# Altium PCB OctopusPB_r0102.PcbDoc (part 4 of 10)
Units mm, origin at the board's own origin, x right, y up, seen from the top; angles counter-clockwise.
Board outline 318 x 80 mm, 4 copper layers (Top Layer, Layer 1, Layer 2, Bottom Layer), stack 1.62 mm thick; 806 components, 346 nets, 2957 pads, 6733 vias.
Unrouted connection lines stored in the file: 1143.
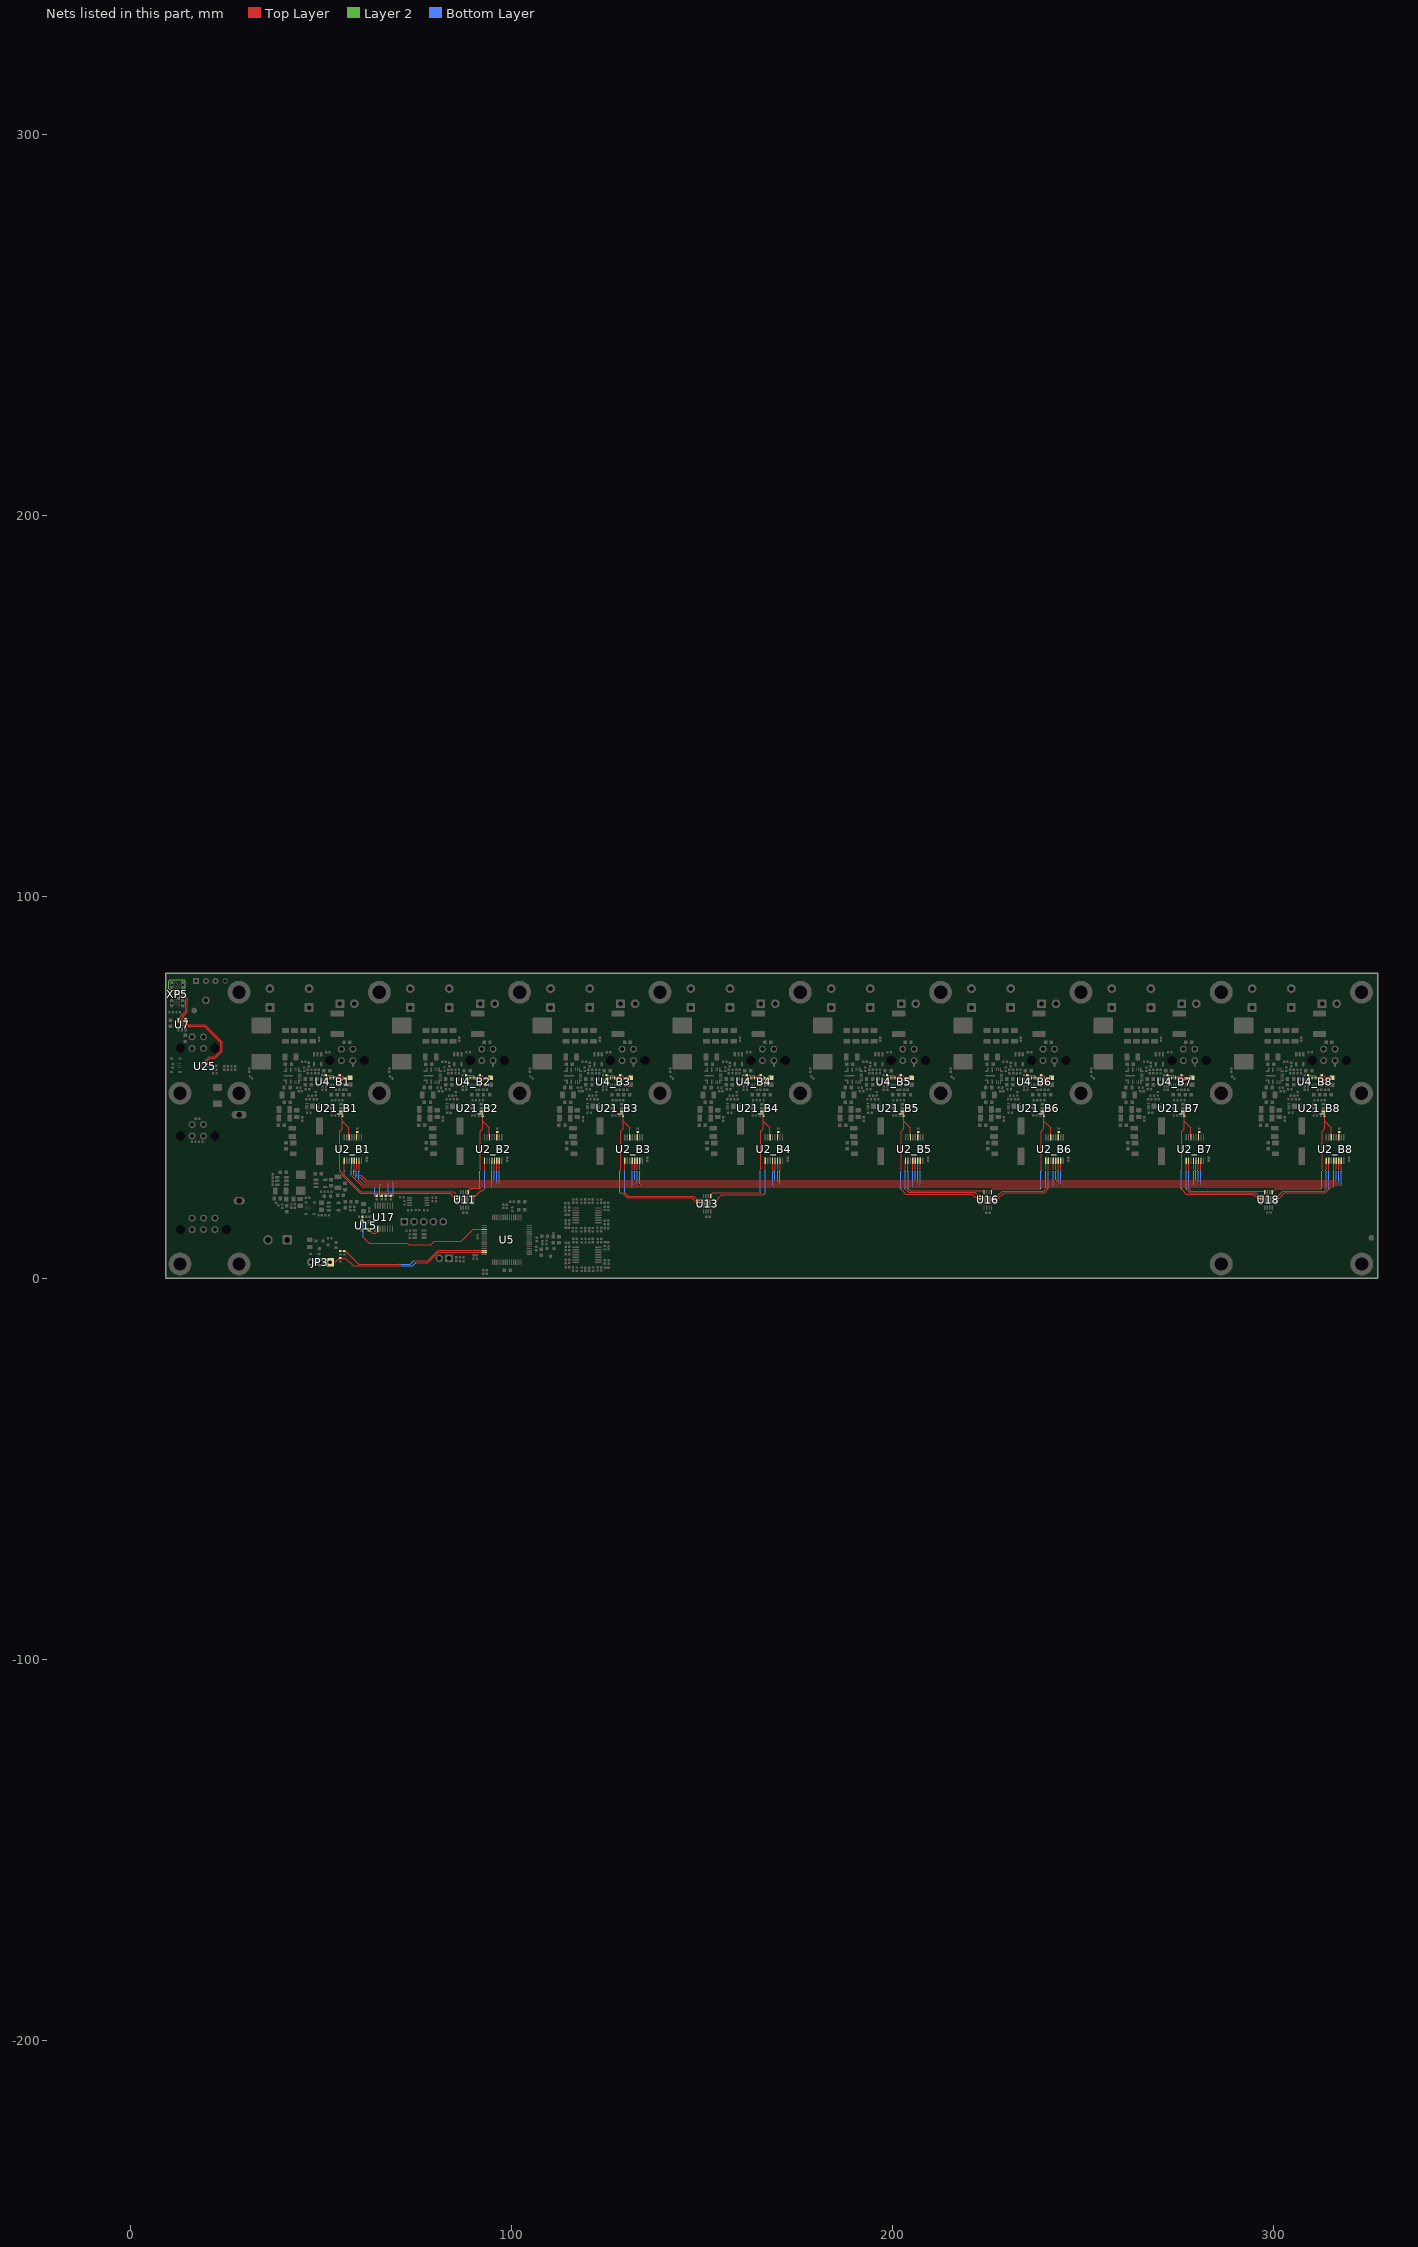
[diagram p6: the nets of this part, all layers, seen from the top]

## Via types
v1: diameter 0.4, hole 0.2, Top Layer to Bottom Layer, tented both sides, 6713 vias
v2: diameter 0.5, hole 0.2, Top Layer to Bottom Layer, tented both sides, 20 vias

## Nets (pads, with @x,y where several pads share a name; then routed paths per layer and width w, separated by ;. In a path a pad name is that pad's centre, name@x,y a point inside that pad or via, vN(x,y) a via of type N, cw(c..) or ccw(c..) an arc to the next point about the centre after c; other vN are vias at no path point) (continued)
BUCK_CTRL_B5: U2_B5.10 U16.8 | length 27.8
  Top Layer w0.2: v1(204.025,28.2) U2_B5.10@204.025,30.8 ; v1(204.075,23.4) 204.075,23.393 204.568,22.9 223.931,22.9 224,22.831 U16.8@224,22.5
  Bottom Layer w0.2: v1@204.05,23.425 v1@204.05,28.175
BUCK_CTRL_B6: U2_B6.10 U16.3 | length 22.4
  Top Layer w0.2: U16.3@226.975,20.825 226.992,20.808 227.658,20.808 229.25,22.4 239.907,22.4 240.9,23.393 v1(240.9,23.4) ; v1(240.85,28.2) U2_B6.10@240.85,30.8
  Bottom Layer w0.2: v1@240.875,23.425 v1@240.875,28.175
BUCK_CTRL_B7: U2_B7.10 U18.8 | length 27.8
  Top Layer w0.2: v1(277.675,28.2) U2_B7.10@277.675,30.8 ; v1(277.725,23.4) 277.725,23.393 278.293,22.825 297.581,22.825 297.65,22.756 U18.8@297.65,22.5
  Bottom Layer w0.2: v1@277.7,23.425 v1@277.7,28.175
BUCK_CTRL_B8: U2_B8.10 U18.3 | length 22.3
  Top Layer w0.2: U18.3@300.625,20.825 300.65,20.85 301.325,20.85 302.875,22.4 313.557,22.4 314.55,23.393 v1(314.55,23.4) ; v1(314.5,28.2) U2_B8.10@314.5,30.8
  Bottom Layer w0.2: v1@314.525,23.425 v1@314.525,28.175
BUCK_CTRL_C1: U2_B1.9 U11.9 | length 36
  Top Layer w0.2: U2_B1.9@56.075,30.8 v1(56.075,28.2) 56.075,26.987 60.412,22.65 84.775,22.65 85.35,22.075 85.35,21.544 85.419,21.475 U11.9@85.675,21.475
BUCK_CTRL_C2: U2_B2.9 U11.4 | length 11.4
  Top Layer w0.2: U11.4@89.675,21.475 90.525,21.475 91.95,22.9 92.4,22.9 v1(92.9,23.4) ; v1(92.9,28.2) U2_B2.9@92.9,30.8
  Bottom Layer w0.2: v1(92.9,23.4) v1(92.9,28.2)
BUCK_CTRL_C3: U2_B3.9 U13.9 | length 28.8
  Top Layer w0.2: v1(129.725,22.4) 129.725,22.393 130.618,21.5 147.875,21.5 148.9,20.475 U13.9@149.325,20.475 ; v1(129.725,28.2) U2_B3.9@129.725,30.8
  Bottom Layer w0.2: v1@129.725,22.425 v1(129.725,28.2)
BUCK_CTRL_C4: U2_B4.9 U13.4 | length 22.4
  Top Layer w0.2: U13.4@153.325,20.475 153.75,20.475 155.175,21.9 166.05,21.9 v1(166.55,22.4) ; v1(166.55,28.2) U2_B4.9@166.55,30.8
  Bottom Layer w0.2: v1@166.55,22.425 v1(166.55,28.2)
BUCK_CTRL_C5: U2_B5.9 U16.9 | length 27.8
  Top Layer w0.2: v1(203.375,23.4) 203.375,23.393 204.268,22.5 221.525,22.5 222.55,21.475 U16.9@222.975,21.475 ; v1(203.375,28.2) U2_B5.9@203.375,30.8
  Bottom Layer w0.2: v1(203.375,23.4) v1(203.375,28.2)
BUCK_CTRL_C6: U2_B6.9 U16.4 | length 21.4
  Top Layer w0.2: U16.4@226.975,21.475 227.4,21.475 228.75,22.825 239.625,22.825 v1(240.2,23.4) ; v1(240.2,28.2) U2_B6.9@240.2,30.8
  Bottom Layer w0.2: v1(240.2,23.4) v1(240.2,28.2)
BUCK_CTRL_C7: U2_B7.9 U18.9 | length 27.8
  Top Layer w0.2: v1(277.025,23.4) 277.025,23.393 277.993,22.425 295.25,22.425 296.2,21.475 U18.9@296.625,21.475 ; v1(277.025,28.2) U2_B7.9@277.025,30.8
  Bottom Layer w0.2: v1(277.025,23.4) v1(277.025,28.2)
BUCK_CTRL_C8: U2_B8.9 U18.4 | length 21.4
  Top Layer w0.2: U18.4@300.625,21.475 301.05,21.475 302.375,22.8 313.25,22.8 v1(313.85,23.4) ; v1(313.85,28.2) U2_B8.9@313.85,30.8
  Bottom Layer w0.2: v1(313.85,23.4) v1(313.85,28.2)
BUCK_EN_B1: R102_B1.1 U2_B1.3 | length 1.6
  Top Layer w0.2: U2_B1.3@59.45,36.9 R102_B1.1@59.45,38.52
BUCK_EN_B2: R102_B2.1 U2_B2.3 | length 1.6
  Top Layer w0.2: U2_B2.3@96.275,36.9 R102_B2.1@96.275,38.52
BUCK_EN_B3: R102_B3.1 U2_B3.3 | length 1.6
  Top Layer w0.2: U2_B3.3@133.1,36.9 R102_B3.1@133.1,38.52
BUCK_EN_B4: R102_B4.1 U2_B4.3 | length 1.6
  Top Layer w0.2: U2_B4.3@169.925,36.9 R102_B4.1@169.925,38.52
BUCK_EN_B5: R102_B5.1 U2_B5.3 | length 1.6
  Top Layer w0.2: U2_B5.3@206.75,36.9 R102_B5.1@206.75,38.52
BUCK_EN_B6: R102_B6.1 U2_B6.3 | length 1.6
  Top Layer w0.2: U2_B6.3@243.575,36.9 R102_B6.1@243.575,38.52
BUCK_EN_B7: R102_B7.1 U2_B7.3 | length 1.6
  Top Layer w0.2: U2_B7.3@280.4,36.9 R102_B7.1@280.4,38.52
BUCK_EN_B8: R102_B8.1 U2_B8.3 | length 1.6
  Top Layer w0.2: U2_B8.3@317.225,36.9 R102_B8.1@317.225,38.52
CLK_1MHz: R52.2 U2_B1.15 U2_B2.15 U2_B3.15 U2_B4.15 U2_B5.15 U2_B6.15 U2_B7.15 U2_B8.15 | length 311.3
  Top Layer w0.2: v1(59.95,25.8) 59.95,25.75 61.25,24.45 v1(65.375,24.45) 67.175,24.45 96.75,24.45 v1(96.775,24.475) v1(317.725,24.475) ; v1(59.975,28.2) U2_B1.15@59.975,30.8 ; v1(65.378,21.526) 65.379,21.525 65.92,21.525 R52.2@65.975,21.58 ; v1(96.775,28.2) v1@96.8,28.225 ; v1@96.8,28.2 U2_B2.15@96.8,30.8 ; v1@133.625,28.2 U2_B3.15@133.625,30.8 ; v1@170.45,28.2 U2_B4.15@170.45,30.8 ; v1@207.275,28.2 U2_B5.15@207.275,30.8 ; v1@244.1,28.2 U2_B6.15@244.1,30.8 ; v1@280.925,28.2 U2_B7.15@280.925,30.8 ; v1@317.75,28.2 U2_B8.15@317.75,30.8
  Bottom Layer w0.2: v1(59.95,25.8) 59.95,28.175 v1(59.975,28.2) ; v1@65.378,21.5 v1(65.378,21.526) v1@65.378,24.45 ; v1(96.775,24.475) v1(96.775,28.2) ; v1(133.6,24.475) v1(133.6,28.2) ; v1(170.425,24.475) v1(170.425,28.2) ; v1(207.25,24.475) v1(207.25,28.2) ; v1(244.075,24.475) v1(244.075,28.2) ; v1(280.9,24.475) v1(280.9,28.2) ; v1(317.725,24.475) v1(317.725,28.2)
CLK_2MHz: R12.2 U2_B1.12 U2_B2.12 U2_B3.12 U2_B4.12 U2_B5.12 U2_B6.12 U2_B7.12 U2_B8.12 | length 313.3
  Top Layer w0.2: v1(57.925,26.975) 57.925,26.95 59.575,25.3 59.6,25.3 60.95,23.95 v1(64.103,23.95) v1(94.85,23.95) v1(131.675,23.95) v1(168.5,23.95) 168.525,23.975 205.3,23.975 v1(205.325,23.95) v1(315.8,23.95) v1@315.9,23.95 ; 57.988,28.438 58.025,28.475 U2_B1.12@58.025,30.8 ; v1(64.103,21.526) 64.103,21.542 64.05,21.596 64.054,21.6 64.63,21.6 R12.2@64.65,21.58 ; v1@94.85,28.3 U2_B2.12@94.85,30.8 ; v1@131.675,28.3 U2_B3.12@131.675,30.8 ; v1@168.5,28.3 U2_B4.12@168.5,30.8 ; v1@205.325,28.3 U2_B5.12@205.325,30.8 ; v1@242.15,28.3 U2_B6.12@242.15,30.8 ; v1@278.975,28.3 U2_B7.12@278.975,30.8 ; v1@315.8,28.3 U2_B8.12@315.8,30.8
  Bottom Layer w0.2: v1(57.925,26.975) 57.925,28.175 v1(57.95,28.2) ; v1@64.103,21.5 v1(64.103,21.526) v1(64.103,23.95) ; v1(94.85,23.95) v1(94.85,28.2) ; v1(131.675,23.95) v1(131.675,28.2) ; v1(168.5,23.95) v1(168.5,28.2) ; v1(205.325,23.95) v1(205.325,28.2) ; v1(242.15,23.95) v1(242.15,28.2) ; v1(278.975,23.95) v1(278.975,28.2) ; v1(315.8,23.95) v1(315.8,28.2)
CLK_4MHz: U15.3 U17.2 | length 2.9
  Top Layer w0.3: U15.3@62.65,12.65 U15.3@62.675,12.65 ; U15.3@62.725,12.65 U15.3@62.675,12.65 ; U17.2@64.85,12.25 64.85,12.158 64.417,11.725 63.6,11.725 U15.3@62.675,12.65
CLK_250kHz: R13.2 U2_B1.13 U2_B2.13 U2_B3.13 U2_B4.13 U2_B5.13 U2_B6.13 U2_B7.13 U2_B8.13 | length 303.8
  Top Layer w0.2: v1(58.625,26.975) 60.525,26.975 61.975,25.525 v1(68.975,25.525) 70.775,25.525 v1(95.475,25.525) v1(132.3,25.525) v1(169.125,25.525) v1(205.95,25.525) v1(242.775,25.525) v1(279.6,25.525) v1(316.425,25.525) ; v1(58.65,28.2) 58.663,28.213 58.663,30.788 U2_B1.13@58.675,30.8 ; R13.2@68.35,21.58 68.38,21.55 v1(68.975,21.55) ; v1(95.475,28.2) v1@95.5,28.2 ; v1@95.488,28.213 95.488,30.788 U2_B2.13@95.5,30.8 ; v1@132.313,28.213 132.313,30.788 U2_B3.13@132.325,30.8 ; v1@169.138,28.213 169.138,30.788 U2_B4.13@169.15,30.8 ; v1@205.963,28.213 205.963,30.788 U2_B5.13@205.975,30.8 ; v1@242.788,28.213 242.788,30.788 U2_B6.13@242.8,30.8 ; v1@279.613,28.213 279.613,30.788 U2_B7.13@279.625,30.8 ; v1@316.438,28.213 316.438,30.788 U2_B8.13@316.45,30.8
  Bottom Layer w0.2: v1(58.625,26.975) 58.625,28.175 v1(58.65,28.2) ; v1@68.975,21.5 v1(68.975,21.55) ; v1(68.975,25.525) v1(68.975,21.55) ; v1@69,21.575 v1(68.975,21.55) ; v1(95.475,25.525) v1(95.475,28.2) ; v1(132.3,25.525) v1(132.3,28.2) ; v1(169.125,25.525) v1(169.125,28.2) ; v1(205.95,25.525) v1(205.95,28.2) ; v1(242.775,25.525) v1(242.775,28.2) ; v1(279.6,25.525) v1(279.6,28.2) ; v1(316.425,25.525) v1(316.425,28.2)
CLK_500kHz: R55.2 U2_B1.14 U2_B2.14 U2_B3.14 U2_B4.14 U2_B5.14 U2_B6.14 U2_B7.14 U2_B8.14 | length 307.5
  Top Layer w0.2: v1(59.3,26.425) 60.275,26.425 61.7,25 69.4,25 v1(96.15,25) v1@317.2,25 ; v1(59.3,28.2) 59.325,28.225 U2_B1.14@59.325,30.8 ; R55.2@66.925,21.58 66.955,21.55 v1(67.6,21.55) ; v1@96.15,28.225 U2_B2.14@96.15,30.8 ; v1@132.975,28.225 U2_B3.14@132.975,30.8 ; v1@169.8,28.225 U2_B4.14@169.8,30.8 ; v1@206.625,28.225 U2_B5.14@206.625,30.8 ; v1@243.45,28.225 U2_B6.14@243.45,30.8 ; v1@280.275,28.225 U2_B7.14@280.275,30.8 ; v1@317.1,28.225 U2_B8.14@317.1,30.8
  Bottom Layer w0.2: v1(59.3,26.425) v1(59.3,28.2) ; v1@67.6,21.5 v1(67.6,21.55) v1(67.6,25) ; v1(96.15,25) v1(96.15,28.2) ; v1(132.975,25) v1(132.975,28.2) ; v1(169.8,25) v1(169.8,28.2) ; v1(206.625,25) v1(206.625,28.2) ; v1(243.45,25) v1(243.45,28.2) ; v1(280.275,25) v1(280.275,28.2) ; v1(317.1,25) v1(317.1,28.2)
CLK_EN: R54.2 U5.51 U15.1 | length 40.2
  Top Layer w0.2: U15.1@60.775,14.75 v1(60.775,15.475) R54.2@60.775,16.045 ; v1(61.1,11) 61.12,10.98 61.12,10.67 62.691,9.1 72.632,9.1 72.957,8.775 78.831,8.775 79.706,9.65 86.823,9.65 89.932,12.759 U5.51@92.816,12.759
  Bottom Layer w0.2: v1@60.85,15.375 60.85,15.175 61.1,14.925 v1(61.1,11)
COOLER_FB: JP3.1 R70.1 U5.63 | length 43.2
  Top Layer w0.2: JP3.1@52.49,4.725 52.915,4.3 53.875,4.3 54.83,5.255 R70.1@55.1,5.255 56.395,5.255 58.475,3.175 v1(71.125,3.175) ; v1(74.9,4.05) 78.066,4.05 80.775,6.759 U5.63@92.816,6.759
  Bottom Layer w0.2: v1(71.125,3.175) 74.025,3.175 v1(74.9,4.05)
COOLER_SW: R72.1 R73.1 U5.62 | length 40.6
  Top Layer w0.2: R72.1@55.087,7.088 55.097,7.078 56.073,7.078 R73.1@56.075,7.08 56.26,6.895 56.655,6.895 59.875,3.675 v1(70.7,3.675) ; v1(74.35,4.55) 78,4.55 80.7,7.25 92.807,7.25 U5.62@92.816,7.259
  Bottom Layer w0.2: v1(70.7,3.675) 73.475,3.675 v1(74.35,4.55)
CUSB_D_N: U7.3 U25.2 XP5.A7 XP5.B7 | length 44.8
  Top Layer w0.2: XP5.A7@12.63,73.375 12.697,73.375 12.947,73.625 14.2,73.625 14.525,73.3 14.525,70 13.875,69.35 13.676,69.35 13.325,68.999 13.325,68.667 13.208,68.55 13.153,68.55 12.925,68.322 12.925,68.3 12.575,67.95 U7.3@12.575,67.65 12.575,67.35 12.925,67 12.925,66.978 13,66.903 13,66.693 13.293,66.4 13.525,66.4 13.775,66.15 15.128,66.15 15.153,66.125 19.3,66.125 23.655,61.77 23.655,59.662 22.122,58.129 20.716,58.129 19.75,57.163 19.75,56.565 19.725,56.54 19.725,56.275 U25.2@19.7,56.25
  Layer 2 w0.2: XP5.B7@11.85,75.625 11.773,75.548 11.373,75.548 11.325,75.5 10.502,75.5 10.027,75.975 10.027,77.927 10.425,78.325 13.981,78.325 14.42,77.886 14.42,75.17 12.63,73.38 XP5.A7@12.63,73.375
  Bottom Layer w0.2: XP5.A7@12.63,73.375 XP5.A7@12.78,73.525
CUSB_D_P: U7.1 U25.1 XP5.A6 XP5.B6 | length 31.9
  Top Layer w0.2: XP5.B6@11.876,74.699 12.206,74.699 XP5.A6@12.63,74.275 12.697,74.275 12.947,74.025 14.366,74.025 14.925,73.466 14.925,69.834 14.041,68.95 13.842,68.95 13.725,68.833 13.725,68.667 13.842,68.55 13.897,68.55 14.125,68.322 14.125,68.3 14.475,67.95 U7.1@14.475,67.65 14.475,67.35 14.125,67 14.125,66.978 14,66.853 14,66.693 13.979,66.672 13.979,66.667 14.097,66.55 15.294,66.55 15.319,66.525 19.466,66.525 24.055,61.936 24.055,59.496 22.288,57.729 20.882,57.729 20.15,56.997 20.15,56.3 U25.1@20.2,56.25 U25.1@20.267,56.183 ; U25.1@20.202,56.223 U25.1@20.225,56.2
  Bottom Layer w0.2: XP5.B6@11.85,74.725 XP5.B6@11.876,74.699
DAC_OUT_B1: R21_B1.2 U4_B1.2 | length 2.7
  Top Layer w0.2: R21_B1.2@51.23,53.175 51.23,53.155 R21_B1.2@51.415,52.97 ; R21_B1.2@51.415,53.17 53.054,53.17 53.304,52.919 U4_B1.2@53.304,52.47
DAC_OUT_B2: R21_B2.2 U4_B2.2 | length 2.7
  Top Layer w0.2: R21_B2.2@88.055,53.175 88.055,53.155 R21_B2.2@88.24,52.97 ; R21_B2.2@88.24,53.17 89.879,53.17 90.129,52.919 U4_B2.2@90.129,52.47
DAC_OUT_B3: R21_B3.2 U4_B3.2 | length 2.7
  Top Layer w0.2: R21_B3.2@124.88,53.175 124.88,53.155 R21_B3.2@125.065,52.97 ; R21_B3.2@125.065,53.17 126.704,53.17 126.954,52.919 U4_B3.2@126.954,52.47
DAC_OUT_B4: R21_B4.2 U4_B4.2 | length 2.7
  Top Layer w0.2: R21_B4.2@161.705,53.175 161.705,53.155 R21_B4.2@161.89,52.97 ; R21_B4.2@161.89,53.17 163.529,53.17 163.779,52.919 U4_B4.2@163.779,52.47
DAC_OUT_B5: R21_B5.2 U4_B5.2 | length 2.7
  Top Layer w0.2: R21_B5.2@198.53,53.175 198.53,53.155 R21_B5.2@198.715,52.97 ; R21_B5.2@198.715,53.17 200.354,53.17 200.604,52.919 U4_B5.2@200.604,52.47
DAC_OUT_B6: R21_B6.2 U4_B6.2 | length 2.7
  Top Layer w0.2: R21_B6.2@235.355,53.175 235.355,53.155 R21_B6.2@235.54,52.97 ; R21_B6.2@235.54,53.17 237.179,53.17 237.429,52.919 U4_B6.2@237.429,52.47
DAC_OUT_B7: R21_B7.2 U4_B7.2 | length 2.7
  Top Layer w0.2: R21_B7.2@272.18,53.175 272.18,53.155 R21_B7.2@272.365,52.97 ; R21_B7.2@272.365,53.17 274.004,53.17 274.254,52.919 U4_B7.2@274.254,52.47
DAC_OUT_B8: R21_B8.2 U4_B8.2 | length 2.7
  Top Layer w0.2: R21_B8.2@309.005,53.175 309.005,53.155 R21_B8.2@309.19,52.97 ; R21_B8.2@309.19,53.17 310.829,53.17 311.079,52.919 U4_B8.2@311.079,52.47
DAC_VDD_B1: C31_B1.1 C32_B1.1 C33_B1.1 L3_B1.2 R25_B1.2 U4_B1.1 U4_B1.4 | length 10
  Top Layer w0.2: U4_B1.4@52.304,52.456 U4_B1.4@52.304,52.47 ; U4_B1.1@53.804,52.325 U4_B1.1@53.804,52.42 53.804,52.728 53.829,52.753 v1(54.153,52.753) ; U4_B1.1@53.827,52.526 53.827,52.528 U4_B1.1@53.829,52.53
  Top Layer w0.3: R25_B1.2@51.093,52.19 51.228,52.055 R25_B1.2@51.25,52.055 ; R25_B1.2@51.25,52.18 51.385,52.315 51.714,52.315 ; 51.714,52.515 51.85,52.651 v1(51.877,52.651) v1(51.877,52.651) 52.175,52.65 ; v1(54.153,52.753) 54.153,52.761 54.476,53.085 54.715,53.085 C33_B1.1@54.875,53.245 ; C33_B1.1@54.875,53.265 C33_B1.1@54.875,53.245 ; C32_B1.1@54.9,51.39 54.9,51.41 55.06,51.57 55.295,51.57 C31_B1.1@56.1,52.375 ; L3_B1.2@57.6,52.526 57.449,52.375 C31_B1.1@56.125,52.375 C31_B1.1@56.1,52.375 ; C33_B1.1@54.875,53.245 55.035,53.085 55.39,53.085 C31_B1.1@56.1,52.375
  Bottom Layer w0.3: v1(51.877,52.651) 51.89,52.664 54.14,52.664 v1@54.152,52.676
DAC_VDD_B2: C31_B2.1 C32_B2.1 C33_B2.1 L3_B2.2 R25_B2.2 U4_B2.1 U4_B2.4 | length 10
  Top Layer w0.2: U4_B2.4@89.129,52.456 U4_B2.4@89.129,52.47 ; U4_B2.1@90.629,52.325 U4_B2.1@90.629,52.42 90.629,52.728 90.654,52.753 v1(90.978,52.753) ; U4_B2.1@90.652,52.526 90.652,52.528 U4_B2.1@90.654,52.53
  Top Layer w0.3: R25_B2.2@87.918,52.19 88.053,52.055 R25_B2.2@88.075,52.055 ; R25_B2.2@88.075,52.18 88.21,52.315 88.539,52.315 ; 88.539,52.515 88.675,52.651 v1(88.702,52.651) 88.703,52.65 89,52.65 ; v1(90.978,52.753) 90.978,52.761 91.301,53.085 91.54,53.085 C33_B2.1@91.7,53.245 ; C33_B2.1@91.7,53.265 C33_B2.1@91.7,53.245 ; C32_B2.1@91.725,51.39 91.725,51.41 91.885,51.57 92.12,51.57 C31_B2.1@92.925,52.375 ; L3_B2.2@94.425,52.526 94.274,52.375 C31_B2.1@92.95,52.375 C31_B2.1@92.925,52.375 ; C33_B2.1@91.7,53.245 91.86,53.085 92.215,53.085 C31_B2.1@92.925,52.375
  Bottom Layer w0.3: v1(88.702,52.651) 88.715,52.664 90.965,52.664 v1@90.977,52.676
DAC_VDD_B3: C31_B3.1 C32_B3.1 C33_B3.1 L3_B3.2 R25_B3.2 U4_B3.1 U4_B3.4 | length 10
  Top Layer w0.2: U4_B3.4@125.954,52.456 U4_B3.4@125.954,52.47 ; U4_B3.1@127.454,52.325 U4_B3.1@127.454,52.42 127.454,52.728 127.479,52.753 v1(127.803,52.753) ; U4_B3.1@127.477,52.526 127.477,52.528 U4_B3.1@127.479,52.53
  Top Layer w0.3: R25_B3.2@124.743,52.19 124.878,52.055 R25_B3.2@124.9,52.055 ; R25_B3.2@124.9,52.18 125.035,52.315 125.364,52.315 ; 125.364,52.515 125.5,52.651 v1(125.527,52.651) 125.528,52.65 125.825,52.65 ; v1(127.803,52.753) 127.803,52.761 128.126,53.085 128.365,53.085 C33_B3.1@128.525,53.245 ; C33_B3.1@128.525,53.265 C33_B3.1@128.525,53.245 ; C32_B3.1@128.55,51.39 128.55,51.41 128.71,51.57 128.945,51.57 C31_B3.1@129.75,52.375 ; L3_B3.2@131.25,52.526 131.099,52.375 C31_B3.1@129.775,52.375 C31_B3.1@129.75,52.375 ; C33_B3.1@128.525,53.245 128.685,53.085 129.04,53.085 C31_B3.1@129.75,52.375
  Bottom Layer w0.3: v1(125.527,52.651) 125.54,52.664 127.79,52.664 v1@127.802,52.676
DAC_VDD_B4: C31_B4.1 C32_B4.1 C33_B4.1 L3_B4.2 R25_B4.2 U4_B4.1 U4_B4.4 | length 10
  Top Layer w0.2: U4_B4.4@162.779,52.456 U4_B4.4@162.779,52.47 ; U4_B4.1@164.279,52.325 U4_B4.1@164.279,52.42 164.279,52.728 164.304,52.753 v1(164.628,52.753) ; U4_B4.1@164.302,52.526 164.302,52.528 U4_B4.1@164.304,52.53
  Top Layer w0.3: R25_B4.2@161.568,52.19 161.703,52.055 R25_B4.2@161.725,52.055 ; R25_B4.2@161.725,52.18 161.86,52.315 162.189,52.315 ; 162.189,52.515 162.325,52.651 v1(162.352,52.651) 162.353,52.65 162.65,52.65 ; v1(164.628,52.753) 164.628,52.761 164.951,53.085 165.19,53.085 C33_B4.1@165.35,53.245 ; C33_B4.1@165.35,53.265 C33_B4.1@165.35,53.245 ; C32_B4.1@165.375,51.39 165.375,51.41 165.535,51.57 165.77,51.57 C31_B4.1@166.575,52.375 ; L3_B4.2@168.075,52.526 167.924,52.375 C31_B4.1@166.6,52.375 C31_B4.1@166.575,52.375 ; C33_B4.1@165.35,53.245 165.51,53.085 165.865,53.085 C31_B4.1@166.575,52.375
  Bottom Layer w0.3: v1(162.352,52.651) 162.365,52.664 164.615,52.664 v1@164.627,52.676
DAC_VDD_B5: C31_B5.1 C32_B5.1 C33_B5.1 L3_B5.2 R25_B5.2 U4_B5.1 U4_B5.4 | length 10
  Top Layer w0.2: U4_B5.4@199.604,52.456 U4_B5.4@199.604,52.47 ; U4_B5.1@201.104,52.325 U4_B5.1@201.104,52.42 201.104,52.728 201.129,52.753 v1(201.453,52.753) ; U4_B5.1@201.127,52.526 201.127,52.528 U4_B5.1@201.129,52.53
  Top Layer w0.3: R25_B5.2@198.393,52.19 198.528,52.055 R25_B5.2@198.55,52.055 ; R25_B5.2@198.55,52.18 198.685,52.315 199.014,52.315 ; 199.014,52.515 199.15,52.651 v1(199.177,52.651) 199.178,52.65 199.475,52.65 ; v1(201.453,52.753) 201.453,52.761 201.776,53.085 202.015,53.085 C33_B5.1@202.175,53.245 ; C33_B5.1@202.175,53.265 C33_B5.1@202.175,53.245 ; C32_B5.1@202.2,51.39 202.2,51.41 202.36,51.57 202.595,51.57 C31_B5.1@203.4,52.375 ; L3_B5.2@204.9,52.526 204.749,52.375 C31_B5.1@203.425,52.375 C31_B5.1@203.4,52.375 ; C33_B5.1@202.175,53.245 202.335,53.085 202.69,53.085 C31_B5.1@203.4,52.375
  Bottom Layer w0.3: v1(199.177,52.651) 199.19,52.664 201.44,52.664 v1@201.452,52.676
DAC_VDD_B6: C31_B6.1 C32_B6.1 C33_B6.1 L3_B6.2 R25_B6.2 U4_B6.1 U4_B6.4 | length 10
  Top Layer w0.2: U4_B6.4@236.429,52.456 U4_B6.4@236.429,52.47 ; U4_B6.1@237.929,52.325 U4_B6.1@237.929,52.42 237.929,52.728 237.954,52.753 v1(238.278,52.753) ; U4_B6.1@237.952,52.526 237.952,52.528 U4_B6.1@237.954,52.53
  Top Layer w0.3: R25_B6.2@235.218,52.19 235.353,52.055 R25_B6.2@235.375,52.055 ; R25_B6.2@235.375,52.18 235.51,52.315 235.839,52.315 ; 235.839,52.515 235.975,52.651 v1(236.002,52.651) 236.003,52.65 236.3,52.65 ; v1(238.278,52.753) 238.278,52.761 238.601,53.085 238.84,53.085 C33_B6.1@239,53.245 ; C33_B6.1@239,53.265 C33_B6.1@239,53.245 ; C32_B6.1@239.025,51.39 239.025,51.41 239.185,51.57 239.42,51.57 C31_B6.1@240.225,52.375 ; L3_B6.2@241.725,52.526 241.574,52.375 C31_B6.1@240.25,52.375 C31_B6.1@240.225,52.375 ; C33_B6.1@239,53.245 239.16,53.085 239.515,53.085 C31_B6.1@240.225,52.375
  Bottom Layer w0.3: v1(236.002,52.651) 236.015,52.664 238.265,52.664 v1@238.277,52.676
DAC_VDD_B7: C31_B7.1 C32_B7.1 C33_B7.1 L3_B7.2 R25_B7.2 U4_B7.1 U4_B7.4 | length 10
  Top Layer w0.2: U4_B7.4@273.254,52.456 U4_B7.4@273.254,52.47 ; U4_B7.1@274.754,52.325 U4_B7.1@274.754,52.42 274.754,52.728 274.779,52.753 v1(275.103,52.753) ; U4_B7.1@274.777,52.526 274.777,52.528 U4_B7.1@274.779,52.53
  Top Layer w0.3: R25_B7.2@272.043,52.19 272.178,52.055 R25_B7.2@272.2,52.055 ; R25_B7.2@272.2,52.18 272.335,52.315 272.664,52.315 ; 272.664,52.515 272.8,52.651 v1(272.827,52.651) ; 273.125,52.65 v1@272.828,52.65 ; v1(275.103,52.753) 275.103,52.761 275.426,53.085 275.665,53.085 C33_B7.1@275.825,53.245 ; C33_B7.1@275.825,53.265 C33_B7.1@275.825,53.245 ; C32_B7.1@275.85,51.39 275.85,51.41 276.01,51.57 276.245,51.57 C31_B7.1@277.05,52.375 ; L3_B7.2@278.55,52.526 278.399,52.375 C31_B7.1@277.075,52.375 C31_B7.1@277.05,52.375 ; v1(272.827,52.651) v1@272.828,52.65 ; C33_B7.1@275.825,53.245 275.985,53.085 276.34,53.085 C31_B7.1@277.05,52.375
  Bottom Layer w0.3: v1(272.827,52.651) 272.84,52.664 275.09,52.664 v1@275.102,52.676
DAC_VDD_B8: C31_B8.1 C32_B8.1 C33_B8.1 L3_B8.2 R25_B8.2 U4_B8.1 U4_B8.4 | length 10
  Top Layer w0.2: U4_B8.4@310.079,52.456 U4_B8.4@310.079,52.47 ; U4_B8.1@311.579,52.325 U4_B8.1@311.579,52.42 311.579,52.728 311.604,52.753 v1(311.928,52.753) ; U4_B8.1@311.602,52.526 311.602,52.528 U4_B8.1@311.604,52.53
  Top Layer w0.3: R25_B8.2@308.868,52.19 309.003,52.055 R25_B8.2@309.025,52.055 ; R25_B8.2@309.025,52.18 309.16,52.315 309.489,52.315 ; 309.489,52.515 309.625,52.651 v1(309.652,52.651) ; 309.95,52.65 v1@309.653,52.65 ; v1(311.928,52.753) 311.928,52.761 312.251,53.085 312.49,53.085 C33_B8.1@312.65,53.245 ; C33_B8.1@312.65,53.265 C33_B8.1@312.65,53.245 ; C32_B8.1@312.675,51.39 312.675,51.41 312.835,51.57 313.07,51.57 C31_B8.1@313.875,52.375 ; L3_B8.2@315.375,52.526 315.224,52.375 C31_B8.1@313.9,52.375 C31_B8.1@313.875,52.375 ; v1(309.652,52.651) v1@309.653,52.65 ; C33_B8.1@312.65,53.245 312.81,53.085 313.165,53.085 C31_B8.1@313.875,52.375
  Bottom Layer w0.3: v1(309.652,52.651) 309.665,52.664 311.915,52.664 v1@311.927,52.676
DANGER_OV_SNS1: R7_B1.1 U2_B1.6 U11.10 U21_B1.1 | length 54.9
  Top Layer w0.2: U21_B1.1@55.35,43.65 55.38,43.65 55.605,43.425 R7_B1.1@55.605,42.625 55.605,41.195 ; U2_B1.6@57.325,37.075 57.325,39.475 55.605,41.195 ; U11.10@85.675,20.825 85.228,20.825 83.803,22.25 60.246,22.25 55.675,26.821 55.675,27.293 54.853,28.115 v1(54.853,28.201) 54.853,28.228 54.95,28.325 54.95,38.575 55.605,39.23 55.605,41.195
DANGER_OV_SNS2: R7_B2.1 U2_B2.6 U11.5 U21_B2.1 | length 29.7
  Top Layer w0.2: U11.5@88.65,22.5 88.65,22.925 89.225,23.5 91.5,23.5 v1(91.6,23.4) ; v1(91.654,28.201) 91.658,28.201 91.775,28.319 91.775,28.825 ; v1@91.775,28.325 91.775,38.575 92.43,39.23 92.43,41.195 ; U21_B2.1@92.175,43.65 92.205,43.65 92.43,43.425 R7_B2.1@92.43,42.625 92.43,41.195 ; U2_B2.6@94.15,37.075 94.15,39.475 92.43,41.195
  Bottom Layer w0.2: v1(91.6,23.4) 91.627,23.427 91.627,28.174 v1(91.654,28.201)
DANGER_OV_SNS3: R7_B3.1 U2_B3.6 U13.10 U21_B3.1 | length 48.3
  Top Layer w0.2: v1(128.425,22.4) 129.018,22.4 130.318,21.1 147.275,21.1 148.525,19.85 149.3,19.85 U13.10@149.325,19.825 ; v1@128.6,28.325 128.6,38.575 129.255,39.23 129.255,41.195 ; U21_B3.1@129,43.65 129.03,43.65 129.255,43.425 R7_B3.1@129.255,42.625 129.255,41.195 ; U2_B3.6@130.975,37.075 130.975,39.475 129.255,41.195
  Bottom Layer w0.2: v1@128.452,22.425 v1@128.452,28.174
  other v1: 128.479,28.201
DANGER_OV_SNS4: R7_B4.1 U2_B4.6 U13.5 U21_B4.1 | length 39.9
  Top Layer w0.2: U13.5@152.3,21.5 152.3,21.95 152.75,22.4 v1(165.25,22.4) ; v1@165.425,28.325 165.425,38.575 166.08,39.23 166.08,41.195 ; U21_B4.1@165.825,43.65 165.855,43.65 166.08,43.425 R7_B4.1@166.08,42.625 166.08,41.195 ; U2_B4.6@167.8,37.075 167.8,39.475 166.08,41.195
  Bottom Layer w0.2: v1@165.277,22.425 v1@165.277,28.174
  other v1: 165.304,28.201
DANGER_OV_SNS5: R7_B5.1 U2_B5.6 U16.10 U21_B5.1 | length 47.3
  Top Layer w0.2: v1(202.075,23.4) 203.425,22.05 220.95,22.05 222.204,20.796 222.946,20.796 U16.10@222.975,20.825 ; v1@202.25,28.325 202.25,38.575 202.905,39.23 202.905,41.195 ; U21_B5.1@202.65,43.65 202.68,43.65 202.905,43.425 R7_B5.1@202.905,42.625 202.905,41.195 ; U2_B5.6@204.625,37.075 204.625,39.475 202.905,41.195
  Bottom Layer w0.2: v1@202.102,23.427 v1@202.102,28.174
  other v1: 202.129,28.201
DANGER_OV_SNS6: R7_B6.1 U2_B6.6 U16.5 U21_B6.1 | length 39
  Top Layer w0.2: U16.5@225.95,22.5 225.95,22.966 226.15,23.166 226.15,23.275 226.275,23.4 v1(238.9,23.4) ; v1@239.075,28.325 239.075,38.575 239.73,39.23 239.73,41.195 ; U21_B6.1@239.475,43.65 239.505,43.65 239.73,43.425 R7_B6.1@239.73,42.625 239.73,41.195 ; U2_B6.6@241.45,37.075 241.45,39.475 239.73,41.195
  Bottom Layer w0.2: v1@238.927,23.427 v1@238.927,28.174
  other v1: 238.954,28.201
DANGER_OV_SNS7: R7_B7.1 U2_B7.6 U18.10 U21_B7.1 | length 47.3
  Top Layer w0.2: v1(275.725,23.4) 277.125,22 294.775,22 295.921,20.854 296.596,20.854 U18.10@296.625,20.825 ; v1@275.9,28.325 275.9,38.575 276.555,39.23 276.555,41.195 ; U21_B7.1@276.3,43.65 276.33,43.65 276.555,43.425 R7_B7.1@276.555,42.625 276.555,41.195 ; U2_B7.6@278.275,37.075 278.275,39.475 276.555,41.195
  Bottom Layer w0.2: v1@275.752,23.427 v1@275.752,28.174
  other v1: 275.779,28.201
DANGER_OV_SNS8: R7_B8.1 U2_B8.6 U18.5 U21_B8.1 | length 38.7
  Top Layer w0.2: U18.5@299.6,22.5 299.6,22.706 299.669,22.775 299.875,22.775 300.5,23.4 v1(312.55,23.4) ; v1@312.725,28.325 312.725,38.575 313.38,39.23 313.38,41.195 ; U21_B8.1@313.125,43.65 313.155,43.65 313.38,43.425 R7_B8.1@313.38,42.625 313.38,41.195 ; U2_B8.6@315.1,37.075 315.1,39.475 313.38,41.195
  Bottom Layer w0.2: v1@312.577,23.427 v1@312.577,28.174
  other v1: 312.604,28.201